# Altium PCB MB1605.PcbDoc (part 10 of 11)
Units mm, origin at the board's own origin, x right, y up, seen from the top; angles counter-clockwise.
Board outline 100 x 79.6 mm, 6 copper layers (Top Layer, Signal Layer 1, Signal Layer 2, Signal Layer 3, Signal Layer 4, Bottom Layer), stack 1.549 mm thick; 644 components, 529 nets, 2853 pads, 1462 vias.
Unrouted connection lines stored in the file: 2.
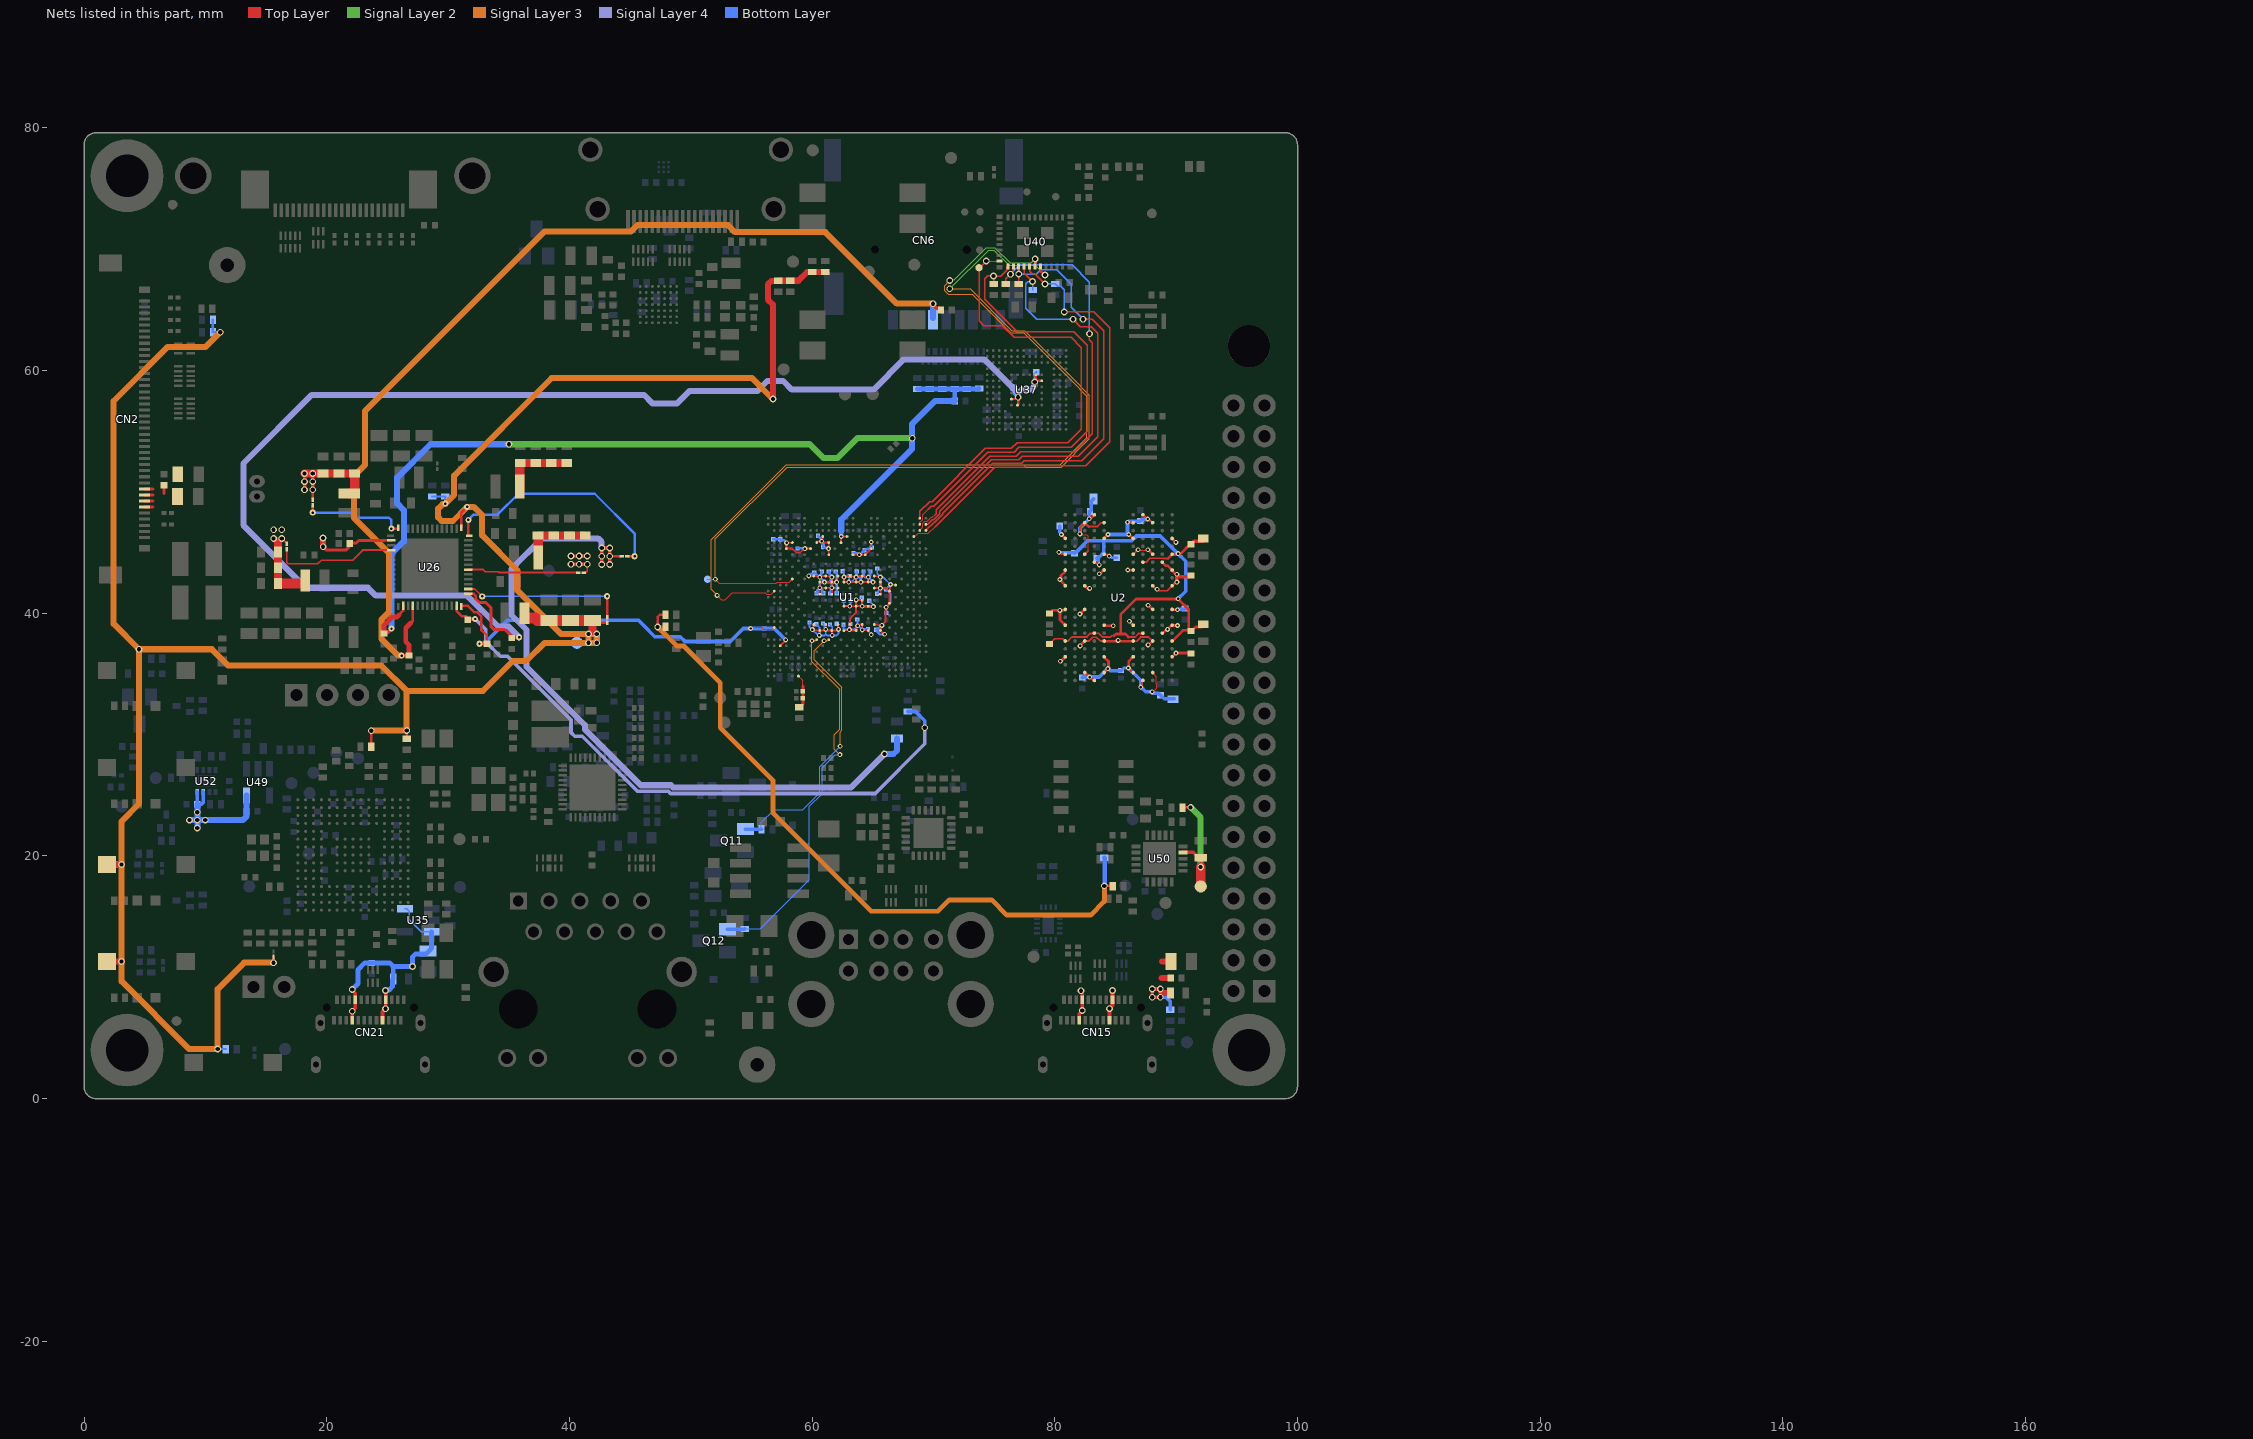
[diagram p14: the nets of this part, all layers, seen from the top]

## Via types
v1: diameter 0.55, hole 0.35, Top Layer to Bottom Layer, 823 vias
v2: diameter 0.4, hole 0.2, Top Layer to Bottom Layer, 235 vias
v3: diameter 0.4, hole 0.2, Top Layer to Bottom Layer, tented both sides, 216 vias
v4: diameter 0.5, hole 0.2, Top Layer to Bottom Layer, 159 vias
v5: diameter 0.25/0.3 (per signal layer), hole 0.1, Top Layer to Signal Layer 1, tented both sides, 29 vias

## Nets (pads, with @x,y where several pads share a name; then routed paths per layer and width w, separated by ;. In a path a pad name is that pad's centre, name@x,y a point inside that pad or via, vN(x,y) a via of type N, cw(c..) or ccw(c..) an arc to the next point about the centre after c; other vN are vias at no path point) (continued)
VBUS_STLK: C110.2 C164.1 C166.2 C172.2 CN21.A4 CN21.A9 CN21.B4 CN21.B9 U35.3 U35.5 U48.1 U49.5 U52.3 U52.4 | length 32.7
  Top Layer w0.3: CN21.B9@22.1,6.46 v1(22.1,7.213) 22.35,7.463 CN21.A4@22.35,8.16 22.35,8.682 22.1,8.932 v1(22.1,9) ; CN21.B4@24.6,6.46 24.6,7.15 v1(24.85,7.4) CN21.A9@24.85,8.16 v1(24.85,8.913)
  Bottom Layer w0.15: U35.5@26.446,15.65 26.579,15.65 26.804,15.425 26.804,14.739 27.793,13.75 U35.3@28.646,13.75
  Bottom Layer w0.3: U52.4@9.336,25.277 C172.2@9.336,24.257 9.686,24.257 9.836,24.407 U52.3@9.836,25.277
  Bottom Layer w0.4: v1(22.1,9) 22.575,9.475 22.575,10.629 23.13,11.184 23.707,11.184 C164.1@23.71,11.187 24.46,11.187 24.461,11.186 25.19,11.186 25.485,10.891 ; v1(24.85,8.913) 24.879,8.942 25.129,8.942 25.41,9.223 25.41,9.79 U48.1@25.485,9.865 25.485,10.891 ; U35.3@28.646,13.75 28.646,12.413 28.146,11.913 27.309,11.913 27.074,11.678 v1(27.074,10.891) 25.485,10.891
  Bottom Layer w0.5: v1(8.691,22.955) v1(9.336,22.955) ; v1(9.336,22.31) v1(9.336,22.955) ; C172.2@9.336,24.257 v1(9.336,23.612) v1(9.336,22.955) ; C166.2@13.39,23.667 U49.5@13.39,24.984 ; C166.2@13.39,23.691 13.385,23.686 13.385,23.248 13.093,22.955 v1(9.336,22.955)
  other v1: 9.981,22.955
VBUSc: C156.2 C159.2 CN15.A4 CN15.A9 CN15.B4 CN15.B9 R219.2 R225.1 R232.1 TP39.1 U43.1 U50.9 | length 20.2
  Top Layer w0.2: R232.1@90.513,24.003 v1(91.188,24.003)
  Top Layer w0.3: CN15.B9@82,6.46 82,6.953 82.25,7.203 v1(82.25,7.27) 82.25,8.732 82.163,8.82 v1(82.163,8.888) ; CN15.B4@84.5,6.461 84.5,6.696 84.499,6.697 84.499,7.472 84.75,7.723 v1(84.75,8.913) ; v1(88.7,8.364) v1(88.025,8.364) v1(88.025,9.039) v1(88.7,9.039) ; U50.9@90.538,20.298 91.408,20.298 91.833,19.873 R225.1@92.013,19.873
  Top Layer w0.5: 88.775,8.702 U43.1@89.525,8.702 ; 88.8,9.952 C156.2@89.55,9.952 ; 88.825,11.302 C159.2@89.575,11.302
  Top Layer w0.8: TP39.1@92.013,17.502 v1(92.013,19.098)
  Signal Layer 2 w0.5: v1(91.188,24.003) 92.013,23.178 v1(92.013,19.098)
  Bottom Layer w0.3: v1(88.7,8.364) 89.138,8.364 89.5,8.002 R219.2@89.5,7.329
  other v1: 84.499,7.422
VCONN_CC1_EN: Q11.1 R41.2 U1.AA11 | length 22.7
  Top Layer w0.15: v3(60.989,37.734) v3(60.989,37.734) 61.264,37.736 61.353,37.825 U1.AA11@61.375,37.825
  Signal Layer 3 w0.1: v3(60.989,37.734) 60.179,36.925 60.179,36.188 62.458,33.909 62.458,30.34 62.301,30.184 v2(62.301,29.041)
  Bottom Layer w0.1: R41.2@55.825,22.2 55.825,22.775 56.858,23.807 59.219,23.807 60.633,25.221 60.633,27.372 v2(62.301,29.041)
  Bottom Layer w0.3: Q11.1@54.5,22.213 54.512,22.2 R41.2@55.825,22.2
VCONN_CC2_EN: Q12.1 R200.2 U1.AA9 | length 31.1
  Top Layer w0.15: v3(59.989,37.734) v3(59.989,37.734) 60.264,37.736 60.353,37.825 U1.AA9@60.375,37.825
  Signal Layer 3 w0.1: v3(59.989,37.734) 59.989,36.015 61.929,34.075 62.258,33.746 62.258,30.423 61.825,29.99 61.825,28.808 v2(62.283,28.35)
  Bottom Layer w0.1: R200.2@54.438,13.988 55.706,13.988 59.774,18.056 59.774,24.08 60.833,25.138 60.833,27.289 61.894,28.35 v2(62.283,28.35)
  Bottom Layer w0.3: Q12.1@53.022,13.963 54.413,13.963 R200.2@54.438,13.988
VDD1_DDR: C2.2 C3.2 C4.1 C5.1 C6.1 C7.1 C8.1 C40.2 U2.F1 U2.F12 U2.G4 U2.G9 U2.T4 U2.T9 U2.U1 U2.U12 U26.44 | length 53
  Top Layer w0.15: C5.1@79.559,37.479 79.584,37.479 C5.1@79.764,37.659 ; C5.1@79.765,37.66 79.765,37.68 79.979,37.894 80.659,37.894 80.859,37.694 80.888,37.723 81.088,37.723 81.415,38.05 82.641,38.05 82.936,38.345 83.277,38.345 83.28,38.348 83.628,38.348 83.945,38.032 84.577,38.032 84.698,38.153 84.893,38.153 ; 86.059,38.044 86.632,38.044 86.925,38.337 87.252,38.337 U2.G4@87.259,38.344 ; U2.T4@87.259,44.215 87.518,44.215 87.837,44.534 88.977,44.534 88.992,44.519 89.33,44.519
  Top Layer w0.2: v2(80.34,45.025) 80.421,45.025 80.56,44.886 80.839,44.886 U2.U12@80.86,44.865
  Top Layer w0.21: 24.775,46 U26.44@25.33,46
  Top Layer w0.22: U2.T9@83.26,44.215 83.275,44.2 83.415,44.2 83.625,43.99 v2(83.659,43.99) ; 84.893,38.153 85.034,38.294 85.44,38.294 ; 86.059,38.044 85.809,38.294 85.44,38.294 ; 89.33,44.519 89.655,44.844 89.659,44.844 90,44.844 90.075,44.919 90.384,44.919 91.159,45.694 C6.1@91.184,45.694 ; U2.F1@89.65,37.683 90.561,38.594 91.179,38.594 91.034,38.739 91.034,40.316 v2(90.16,41.19) ; v2@90.146,41.176 86.685,41.176 85.44,39.931 85.44,38.294 ; C7.1@91.21,38.54 91.355,38.685 C7.1@91.411,38.685 ; C7.1@91.41,38.685 91.588,38.863 92.127,38.863 C3.2@92.183,38.919
  Top Layer w0.25: v1(19.7,46.198) v1@19.702,46.196 ; v1@19.725,45.473 v1(19.702,45.473) 19.975,45.2 21.575,45.2 21.82,45.445 21.82,45.635 21.935,45.75 C40.2@22.005,45.75 ; C40.2@22.01,45.635 22.165,45.79 22.44,45.79 22.65,46 24.775,46
  Top Layer w0.3: C6.1@91.184,45.694 C6.1@91.209,45.694 ; C6.1@91.208,45.694 91.458,45.944 C2.2@92.208,45.944
  Top Layer w0.5: v1(19.702,45.473) v1@19.702,46.196
  Bottom Layer w0.2: v2(80.34,45.025) v2@80.376,44.988 ; C4.1@81.592,44.988 C4.1@81.628,44.952
  Bottom Layer w0.22: C8.1@83.459,44.545 C8.1@83.48,44.545
  Bottom Layer w0.3: v2@80.376,44.988 C4.1@81.592,44.988 ; C4.1@81.628,44.952 81.733,45.057 81.787,45.057 82.72,45.99 84.005,45.99 84.017,45.99 ; C8.1@83.471,44.533 C8.1@83.484,44.545 ; C8.1@83.48,44.545 C8.1@83.484,44.545 ; v2@83.658,43.995 83.589,44.064 83.589,44.44 C8.1@83.484,44.545 ; v2@90.158,41.195 90.783,41.82 90.783,44.295 v2@90.158,44.92 ; v2@90.158,44.895 88.683,46.37 86.722,46.37 86.342,45.99 84.017,45.99 ; C8.1@83.484,44.545 83.589,44.65 83.693,44.65 84.017,44.974 84.017,45.99
  other v2: 90.16,44.915
VDD2_DDR: C10.2 C11.2 C12.1 C13.1 C14.1 C15.1 C16.1 C17.1 C18.1 C19.1 C20.1 C21.1 C41.2 C75.2 C76.2 C77.1 C82.2 C83.2 C200.2 C202.2 L5.2 LNK8.2 R2.2 U1.1C11 U1.1D12 U1.1E11 U1.1F12 U1.1L11 U1.1M12 U1.M22 U1.N21 U1.R21 U2.A4 U2.A9 U2.AA3 U2.AA5 U2.AA8 U2.AA10 U2.AB4 U2.AB9 U2.B3 U2.B5 U2.B8 U2.B10 U2.D1 U2.D5 U2.D8 U2.D12 U2.F3 U2.F5 U2.F8 U2.F10 U2.G2 U2.H1 U2.H5 U2.H8 U2.H12 U2.K1 U2.K3 U2.K10 U2.K12 U2.N1 U2.N3 U2.N10 U2.N12 U2.R1 U2.R5 U2.R8 U2.R12 U2.T2 U2.U3 U2.U5 U2.U8 U2.U10 U2.W1 U2.W5 U2.W8 U2.W12 | length 85.6
  Top Layer w0.09: v2@82.121,46.482 82.614,46.482 82.754,46.341 82.754,45.159 ; U2.U5@86.46,44.865 U2.U5@86.48,44.865 ; v2@86.844,45.229 v2(86.865,45.229) 86.89,45.204 87.64,45.204 v2(87.665,45.229) ; U2.AB4@87.26,48.115 U2.AB4@87.285,48.115 ; v2@87.635,47.765 v2(87.659,47.765) ; v2(88.016,33.516) 88.083,33.516 88.405,33.838 88.405,34.168 88.369,34.204 88.369,34.784 U2.B3@88.059,35.094 ; U2.K1@89.659,40.369 U2.K1@89.684,40.369
  Top Layer w0.1: U2.W8@84.06,46.165 U2.W8@84.06,46.167 ; v2@84.38,46.487 v2(84.38,46.49) ; U2.W1@89.66,46.158 U2.W1@89.66,46.165 ; v2(89.972,45.84) v2@89.972,45.846
  Top Layer w0.15: v1(16.298,46.165) 16.7,45.763 LNK8.2@16.7,45.723 ; U1.1L11@65.125,39.075 v3(65.75,39) U1.1M12@65.625,38.575 v3@65.925,38.25 ; U1.1E11@65.125,42.075 v3(65.625,42.075) ; U1.1C11@65.125,43.075 v3(65.625,42.984) U1.1D12@65.625,42.575 v3(65.625,42.075) ; U1.1F12@65.625,41.575 v3(65.625,42.075) ; U2.F10@82.459,37.694 82.469,37.704 82.803,37.704 83.129,38.03 83.389,38.03 ; U2.U10@82.46,44.865 82.754,45.159 ; 82.785,47.138 83.478,47.138 83.805,47.465 U2.AA8@84.06,47.465 ; 83.39,38.029 83.43,38.029 83.741,37.719 U2.F8@84.059,37.719 ; U2.F5@86.459,37.694 86.734,37.694 87.072,38.032 87.721,38.032 U2.F3@88.034,37.719 ; U2.U5@86.48,44.865 v2@86.844,45.229
  Top Layer w0.16: v3(65.625,42.075) 66.125,42.075 U1.N21@66.375,41.825 ; v3(65.75,39) 66.042,39.292 66.042,40.377 66.1,40.435 v3(66.1,40.5) U1.R21@66.375,40.825 U1.N21@66.375,41.825 ; U1.M22@66.875,42.325 v3(66.458,42.372) U1.N21@66.375,41.825 ; v2(87.076,33.92) 87.076,33.985 87.193,34.102 87.193,34.105 87.196,34.108 87.196,34.363 87.26,34.427 U2.A4@87.26,34.465 ; U2.N3@88.06,42.265 88.35,41.975 v2(88.425,41.975) 88.546,41.854 89.249,41.854 U2.N1@89.66,42.265
  Top Layer w0.2: v2@80.546,46.484 v2(80.546,46.49) ; U2.W12@80.86,46.165 U2.W12@80.86,46.171 ; v2(82.835,47.79) 82.873,47.828 v2@82.946,47.828 ; U2.AB9@83.233,48.115 U2.AB9@83.26,48.115 ; v2(85.99,47.505) 86.03,47.465 U2.AA5@86.46,47.465 ; U2.AB4@87.285,48.115 v2@87.635,47.765 ; v2(87.659,47.765) 87.697,47.727 87.771,47.727 88.033,47.465 U2.AA3@88.06,47.465 ; U2.W1@89.66,46.158 v2@89.972,45.846
  Top Layer w0.22: C13.1@79.559,39.979 79.814,40.235 v2(80.415,40.235) ; v2@80.488,36.045 80.51,36.045 U2.D12@80.859,36.394 ; v2@80.546,46.484 U2.W12@80.86,46.171 ; U2.H12@80.859,39.021 80.421,39.459 80.421,40.229 v2(80.415,40.235) ; U2.K12@80.859,40.294 80.856,40.297 U2.K12@80.842,40.297 ; U2.K12@80.86,40.315 U2.K12@80.842,40.297 ; U2.N12@80.86,42.265 80.86,42.301 80.414,42.747 v2(80.414,42.784) 80.414,42.832 80.504,42.922 80.504,42.924 80.51,42.93 80.51,43.093 80.82,43.403 80.82,43.503 80.86,43.543 U2.R12@80.86,43.565 ; v2@82.059,39.919 82.072,39.919 82.447,40.294 U2.K10@82.459,40.294 ; v2@82.086,37.344 82.436,37.694 U2.F10@82.459,37.694 ; v2@82.089,46.574 82.089,47.074 82.459,47.444 82.479,47.444 82.785,47.138 ; U2.B10@82.459,35.094 82.462,35.097 82.493,35.097 82.845,34.744 v2(82.86,34.744) ; U2.N10@82.459,42.244 82.491,42.244 82.497,42.25 82.672,42.074 82.826,42.074 v2@82.86,42.04 ; v2@82.859,34.719 82.893,34.685 82.997,34.685 83.237,34.444 U2.A9@83.259,34.444 ; v2@82.946,47.828 U2.AB9@83.233,48.115 ; v2(83.66,43.253) 83.704,43.253 84.016,43.565 U2.R8@84.06,43.565 ; U2.B8@84.059,35.094 v2@84.384,35.419 ; U2.D8@84.059,36.394 84.419,36.034 v2@84.419,35.503 ; U2.F8@84.059,37.719 84.072,37.707 85.122,37.706 85.134,37.719 85.147,37.706 86.447,37.706 U2.F5@86.459,37.694 ; U2.H8@84.059,39.015 84.081,39.015 84.131,38.965 v2(84.809,38.965) ; U2.U8@84.059,44.844 84.074,44.829 84.426,44.829 84.46,44.794 v2@84.509,44.794 ; U2.W8@84.06,46.167 v2@84.38,46.487 ; v2(86.01,43.565) 86.042,43.532 U2.R5@86.422,43.532 ; v2(86.085,46.49) 86.11,46.49 86.435,46.165 U2.W5@86.46,46.165 ; v2(86.145,39.34) U2.H5@86.46,39.025 ; U2.B5@86.459,35.094 86.059,35.494 86.089,35.524 86.089,36.044 U2.D5@86.46,36.415 ; v2@87.679,45.243 88.032,44.891 88.032,44.883 U2.U3@88.059,44.856 ; v2(87.685,37.39) 87.733,37.39 87.817,37.474 88.037,37.694 U2.F3@88.059,37.694 ; v2(87.685,40.665) 87.697,40.665 88.046,40.316 U2.K3@88.059,40.316 ; U2.T2@88.832,44.199 88.854,44.199 89.134,43.919 89.284,43.919 89.95,43.253 90.025,43.253 v2@90.059,43.219 ; U2.G2@88.859,38.344 88.881,38.344 v2@89.171,38.635 ; v2(89.285,38.665) 89.298,38.665 89.628,38.995 89.658,38.995 89.659,38.994 v2@90.109,38.994 ; U2.D1@89.659,36.394 89.984,36.719 C15.1@91.159,36.719 ; U2.K1@89.659,40.307 89.659,40.294 v2@90.109,40.294 ; U2.N1@89.659,42.244 89.95,42.535 90.025,42.535 v2@90.059,42.569 ; v2(80.415,40.235) 80.78,40.235 U2.K12@80.842,40.297
  Top Layer w0.3: v2@90.059,42.569 v2@90.059,43.219 ; 90.259,43.014 91.079,43.014 C14.1@91.184,43.119
  Top Layer w0.64: C202.2@15.975,42.45 C41.2@15.975,43.75 C200.2@15.975,45.05 ; 15.975,45.495 15.975,45.925
  Top Layer w0.8: C202.2@16.2,42.45 L5.2@17.975,42.45
  Bottom Layer w0.15: C82.2@65.352,41.603 65.452,41.703 65.452,41.862 65.625,42.035 v3(65.625,42.075) ; C83.2@65.363,43.698 65.363,43.246 v3(65.625,42.984) ; C75.2@66.083,41.967 66.023,42.027 65.673,42.027 v3(65.625,42.075) ; v3(66.458,42.372) 65.886,42.944 65.665,42.944 v3(65.625,42.984) ; v3(65.625,42.075) v3(65.625,42.984)
  Bottom Layer w0.16: v3(66.1,40.5) 66.44,40.84 66.44,41.65 66.218,41.872 66.178,41.872 C75.2@66.083,41.967 66.458,42.342 v3(66.458,42.372)
  Bottom Layer w0.2: C76.2@65.274,38.648 65.349,38.573 65.349,38.508 65.607,38.25 v3@65.925,38.25 ; C76.2@65.291,38.665 65.349,38.723 65.438,38.723 65.715,39 v3(65.75,39)
  Bottom Layer w0.22: C77.1@66.1,40.025 v3(66.1,40.5) ; v2@84.508,44.795 84.729,44.574 85.104,44.574 C21.1@85.108,44.57 ; R2.2@85.408,35.22 85.458,35.22 85.548,35.31 85.548,35.36 85.683,35.495 v2@86.058,35.495
  Bottom Layer w0.3: C12.1@80.409,47.185 80.409,46.676 80.546,46.539 v2(80.546,46.49) ; v2(82.06,46.54) 82.079,46.559 82.079,47.034 v2(82.835,47.79) ; C19.1@82.259,34.71 82.299,34.749 83.652,34.749 84.323,35.42 84.377,35.42 84.401,35.445 84.576,35.27 R2.2@85.459,35.27 ; v2@82.833,47.795 82.833,48.37 C16.1@82.909,48.446 ; C16.1@82.909,48.395 82.995,48.48 82.995,49.23 C10.2@83.184,49.42 ; v2(84.38,46.49) v2(86.085,46.49) 86.085,46.539 85.99,46.634 v2(85.99,47.505) 86.039,47.505 86.129,47.595 C17.1@87.034,47.595 87.169,47.731 87.625,47.731 v2(87.659,47.765) ; v2@86.059,35.495 87.076,34.478 v2(87.076,33.92) 87.103,33.92 87.488,33.536 87.997,33.536 v2(88.016,33.516) 88.087,33.46 88.161,33.402 88.552,33.402 88.579,33.35 C18.1@88.704,33.249 ; C18.1@88.603,33.35 C18.1@88.704,33.249 ; C18.1@88.709,33.245 C18.1@88.704,33.249 ; C11.2@89.833,32.945 89.008,32.945 C18.1@88.704,33.249 ; v2@90.108,40.295 90.142,40.33 90.717,40.33 C20.1@90.758,40.37
  other v1: 15.623,46.165 15.623,46.89 16.298,46.89
  other v2: 84.375,35.44 86.06,35.49 80.46,36.045 89.985,36.715 82.085,37.315 85.21,37.765 90.11,38.99 82.06,39.94 90.11,40.29 82.86,42.05 90.06,42.565 90.06,43.215 84.479,44.694
  other v3: 65.975,38.275
VDD2_DDR_FB: LNK8.1 U26.46 | length 10.2
  Top Layer w0.15: LNK8.1@16.7,45.273 16.7,44.19 16.817,44.073 19.267,44.073 19.567,44.373 20.237,44.373 20.239,44.375 22.127,44.375 22.952,45.2 U26.46@25.33,45.2
VDD3V3_USB: C61.2 R286.1 U26.13 | length 51.8
  Top Layer w0.21: U26.13@30.7,40.63 30.7,40.2 31.163,39.737 31.418,39.737 31.42,39.735 31.49,39.735 31.625,39.6 C61.2@31.625,39.53
  Top Layer w0.3: C61.2@31.625,39.53 v4(32.235,39.53)
  Signal Layer 4 w0.3: v4(32.235,39.53) 33.09,38.675 33.09,37.669 34.292,36.467 34.893,36.467 40.125,31.235 40.125,30.183 40.433,29.875 41.06,29.875 45.61,25.325 48.162,25.325 48.337,25.15 65.19,25.15 69.284,29.244 v1(69.284,30.569)
  Bottom Layer w0.3: R286.1@67.89,31.915 67.898,31.908 68.514,31.908 69.284,31.138 v1(69.284,30.569)
VDD_EMMC: C9.2 C117.2 C190.1 U26.16 U37.E6 U37.F5 U37.J10 U37.K9 | length 114.2
  Top Layer w0.2: U37.E6@76.425,57.655 76.73,57.655 76.88,57.805 v1(76.975,57.805) ; U37.F5@76.925,57.155 76.925,57.163 76.975,57.213 v1@76.975,57.655 ; v1(78.35,59.055) v1@78.425,59.13 ; U37.J10@78.425,59.655 78.425,59.225 78.417,59.217 78.417,59.138 v1@78.425,59.13 ; U37.K9@78.925,59.155 78.545,59.155 78.512,59.122 78.433,59.122 v1@78.425,59.13
  Top Layer w0.21: U26.16@31.67,41.6 32.1,41.6 32.288,41.412 32.288,41.187 32.434,41.041
  Top Layer w0.25: 32.432,41.038 32.598,40.872 33.128,40.872 33.525,40.475 33.525,38.925 33.8,38.65 34.695,38.65 35.25,38.095 C190.1@35.25,38.025
  Top Layer w0.3: C190.1@35.25,38.025 v4(35.86,38.025)
  Signal Layer 4 w0.5: v4(35.86,38.025) 34.965,38.92 34.111,38.92 31.581,41.45 24.048,41.45 23.398,42.1 18.289,42.1 13.124,47.265 13.124,52.342 18.772,57.99 46.146,57.99 46.841,57.296 48.877,57.296 49.915,58.333 55.502,58.333 56.307,59.139 57.609,59.139 58.324,58.425 65.064,58.425 67.565,60.926 74.175,60.926 76.985,58.117 77.293,58.425 78.032,58.425 78.34,58.733 78.34,59.045 v1(78.35,59.055)
  Bottom Layer w0.2: C9.2@76.615,58.58 76.615,58.074 76.884,57.805 v1(76.975,57.805) ; v1(78.35,59.055) 78.35,59.739 C117.2@78.475,59.864
VDD_SDCARD: C215.1 C218.2 CN6.4 U26.4 | length 85.8
  Top Layer w0.21: 26.925,39.2 27.1,39.375 U26.4@27.1,40.63
  Top Layer w0.3: v4(26.165,36.51) C215.1@26.775,36.51 ; v1(69.96,65.511) 70.008,65.463 70.008,65.373 70.261,65.12 70.505,65.12 70.61,65.015 C218.2@70.61,64.99
  Top Layer w0.4: C215.1@26.775,36.51 26.775,37.393 26.51,37.658 26.51,38.785 26.925,39.2
  Signal Layer 3 w0.5: v4(26.165,36.51) 25.89,36.51 24.5,37.9 24.5,39.467 25.115,40.083 25.115,44.981 22.253,47.843 22.253,51.327 23.158,52.232 23.158,56.674 37.95,71.466 45.091,71.466 45.605,71.98 53.072,71.98 53.639,71.413 61.083,71.413 66.984,65.511 v1(69.96,65.511)
  Bottom Layer w0.5: CN6.4@69.96,64.35 v1(69.96,65.511)
VDDA1V8_AON: C189.2 C234.2 U1.AB3 U1.W2 U26.14 | length 35.4
  Top Layer w0.09: 56.026,38.692 56.705,38.692 56.837,38.825 U1.W2@56.875,38.825 ; v3@57.825,37.775 v3(57.825,37.8)
  Top Layer w0.1: v2(54.932,38.744) 54.99,38.801 55.205,38.801 55.267,38.863 55.805,38.863 55.975,38.692 56.026,38.692
  Top Layer w0.15: U1.AB3@57.375,37.325 v3@57.825,37.775
  Top Layer w0.21: U26.14@31.1,40.63 31.61,40.63 32.148,40.092 32.387,40.092 32.745,39.734 32.745,38.602 33.2,38.147 C189.2@33.2,37.49
  Top Layer w0.3: v4(32.59,37.49) C189.2@33.2,37.49
  Bottom Layer w0.3: v4(32.59,37.49) 32.628,37.528 33.005,37.528 34.887,39.41 45.714,39.41 46.542,38.582 46.542,38.57 47.042,38.07 49.132,38.07 49.531,37.67 53.261,37.67 54.334,38.744 v2(54.932,38.744) 54.936,38.748 C234.2@56.064,38.748 56.877,38.748 v3(57.825,37.8)
VDDCORE: C22.2 C23.2 C24.2 C44.1 C45.2 C46.2 C47.1 C48.2 C49.2 C50.2 C51.2 C183.2 C192.2 C197.2 C201.2 L2.2 LNK2.2 R11.1 U1.1C1 U1.1C3 U1.1C5 U1.1D2 U1.1D4 U1.1E3 U1.1E5 U1.1F2 U1.1F4 U1.E5 U1.F4 U1.F8 | length 86.8
  Top Layer w0.15: U1.E5@58.375,45.825 v3(57.9,45.8) U1.F4@57.875,45.325 58.365,45.325 58.685,45.005 59.019,45.005 59.339,45.325 v3(59.4,45.325) U1.F8@59.875,45.325 ; v3(59.725,43.075) U1.1C1@60.125,43.075 60.534,43.075 v3(60.625,42.983) ; U1.1F2@60.625,41.575 v3(60.625,42.1) ; U1.1F4@61.625,41.575 v3(61.625,42.1) ; U1.1E5@62.125,42.075 v3(61.625,42.1) ; U1.1C5@62.125,43.075 v3(62.017,42.572) U1.1D4@61.625,42.575 ; v3(60.625,42.1) U1.1D2@60.625,42.575 ; v3(60.625,42.1) 61.1,42.1 U1.1E3@61.125,42.075 v3(61.625,42.1) ; U1.1D2@60.625,42.575 v3(60.625,42.983) ; U1.1D2@60.625,42.575 v3(61.017,42.572) 61.622,42.572 U1.1D4@61.625,42.575 ; v3(60.625,42.983) 60.717,43.075 U1.1C3@61.125,43.075 v3(61.625,42.983) U1.1D4@61.625,42.575 ; v3(61.625,42.1) U1.1D4@61.625,42.575
  Top Layer w0.2: C22.2@39.775,52.375 C22.2@39.823,52.423 ; 43.7,44.7 LNK2.2@44.316,44.7
  Top Layer w0.3: v1(42.656,44.024) v1(42.656,44.699) v1(42.656,45.374) v1(43.331,45.374) v1(43.331,44.699) v1(43.331,44.024)
  Top Layer w0.64: C183.2@35.95,52.375 C24.2@37.225,52.375 C23.2@38.5,52.375 C22.2@39.775,52.375
  Top Layer w0.8: L2.2@35.915,50.2 L2.2@35.915,50.45 C183.2@35.915,52.173
  Signal Layer 4 w0.5: v1(42.656,45.374) 42.656,45.88 42.363,46.173 37.744,46.173 35.227,43.656 35.227,39.858 36.46,38.625 36.46,35.607 41.275,30.792 41.275,30.441 45.891,25.825 48.37,25.825 48.545,25.65 63.206,25.65 v1@65.947,28.391
  Bottom Layer w0.2: C192.2@56.8,46.1 C201.2@57.375,46.1 57.45,46.025 57.675,46.025 v3(57.9,45.8) ; C197.2@58.788,45.342 59.383,45.342 v3(59.4,45.325) ; v3(59.725,43.075) 59.747,43.075 59.942,43.27 60.098,43.27 C45.2@60.173,43.345 v3(60.625,42.983) ; C44.1@60.351,41.659 60.355,41.659 60.426,41.73 60.426,41.883 60.625,42.082 v3(60.625,42.1) ; C51.2@60.814,43.438 60.739,43.363 60.739,43.151 60.625,43.038 v3(60.625,42.983) ; C46.2@60.915,41.655 60.84,41.73 60.84,41.94 60.719,42.062 60.663,42.062 v3(60.625,42.1) ; C49.2@61.377,43.437 61.452,43.362 61.452,43.201 61.625,43.028 v3(61.625,42.983) 61.455,42.572 ; C47.1@61.476,41.631 61.551,41.706 61.551,41.972 61.625,42.046 v3(61.625,42.1) 61.623,42.102 61.623,42.405 ; C50.2@61.941,43.438 62.017,43.362 v3(62.017,42.572) ; C48.2@62.038,41.657 62.038,42.551 v3(62.017,42.572) ; v3(60.625,42.1) 60.625,42.423 60.774,42.572 v3(61.017,42.572) ; v3(60.625,42.983) 61.017,42.591 v3(61.017,42.572) ; v3(61.017,42.572) 61.455,42.572 ; 61.455,42.572 61.623,42.405 ; 61.623,42.405 v3(62.017,42.572)